# Altium PCB MB1272C_PMIC.PcbDoc (part 4 of 10)
Units mm, origin at the board's own origin, x right, y up, seen from the top; angles counter-clockwise.
Board outline 101 x 71 mm, 6 copper layers (Top Layer, Signal Layer 1, Signal Layer 2, Signal Layer 3, Signal Layer 4, Bottom Layer), stack 1.552 mm thick; 518 components, 478 nets, 2152 pads, 1871 vias.
Unrouted connection lines stored in the file: 3.
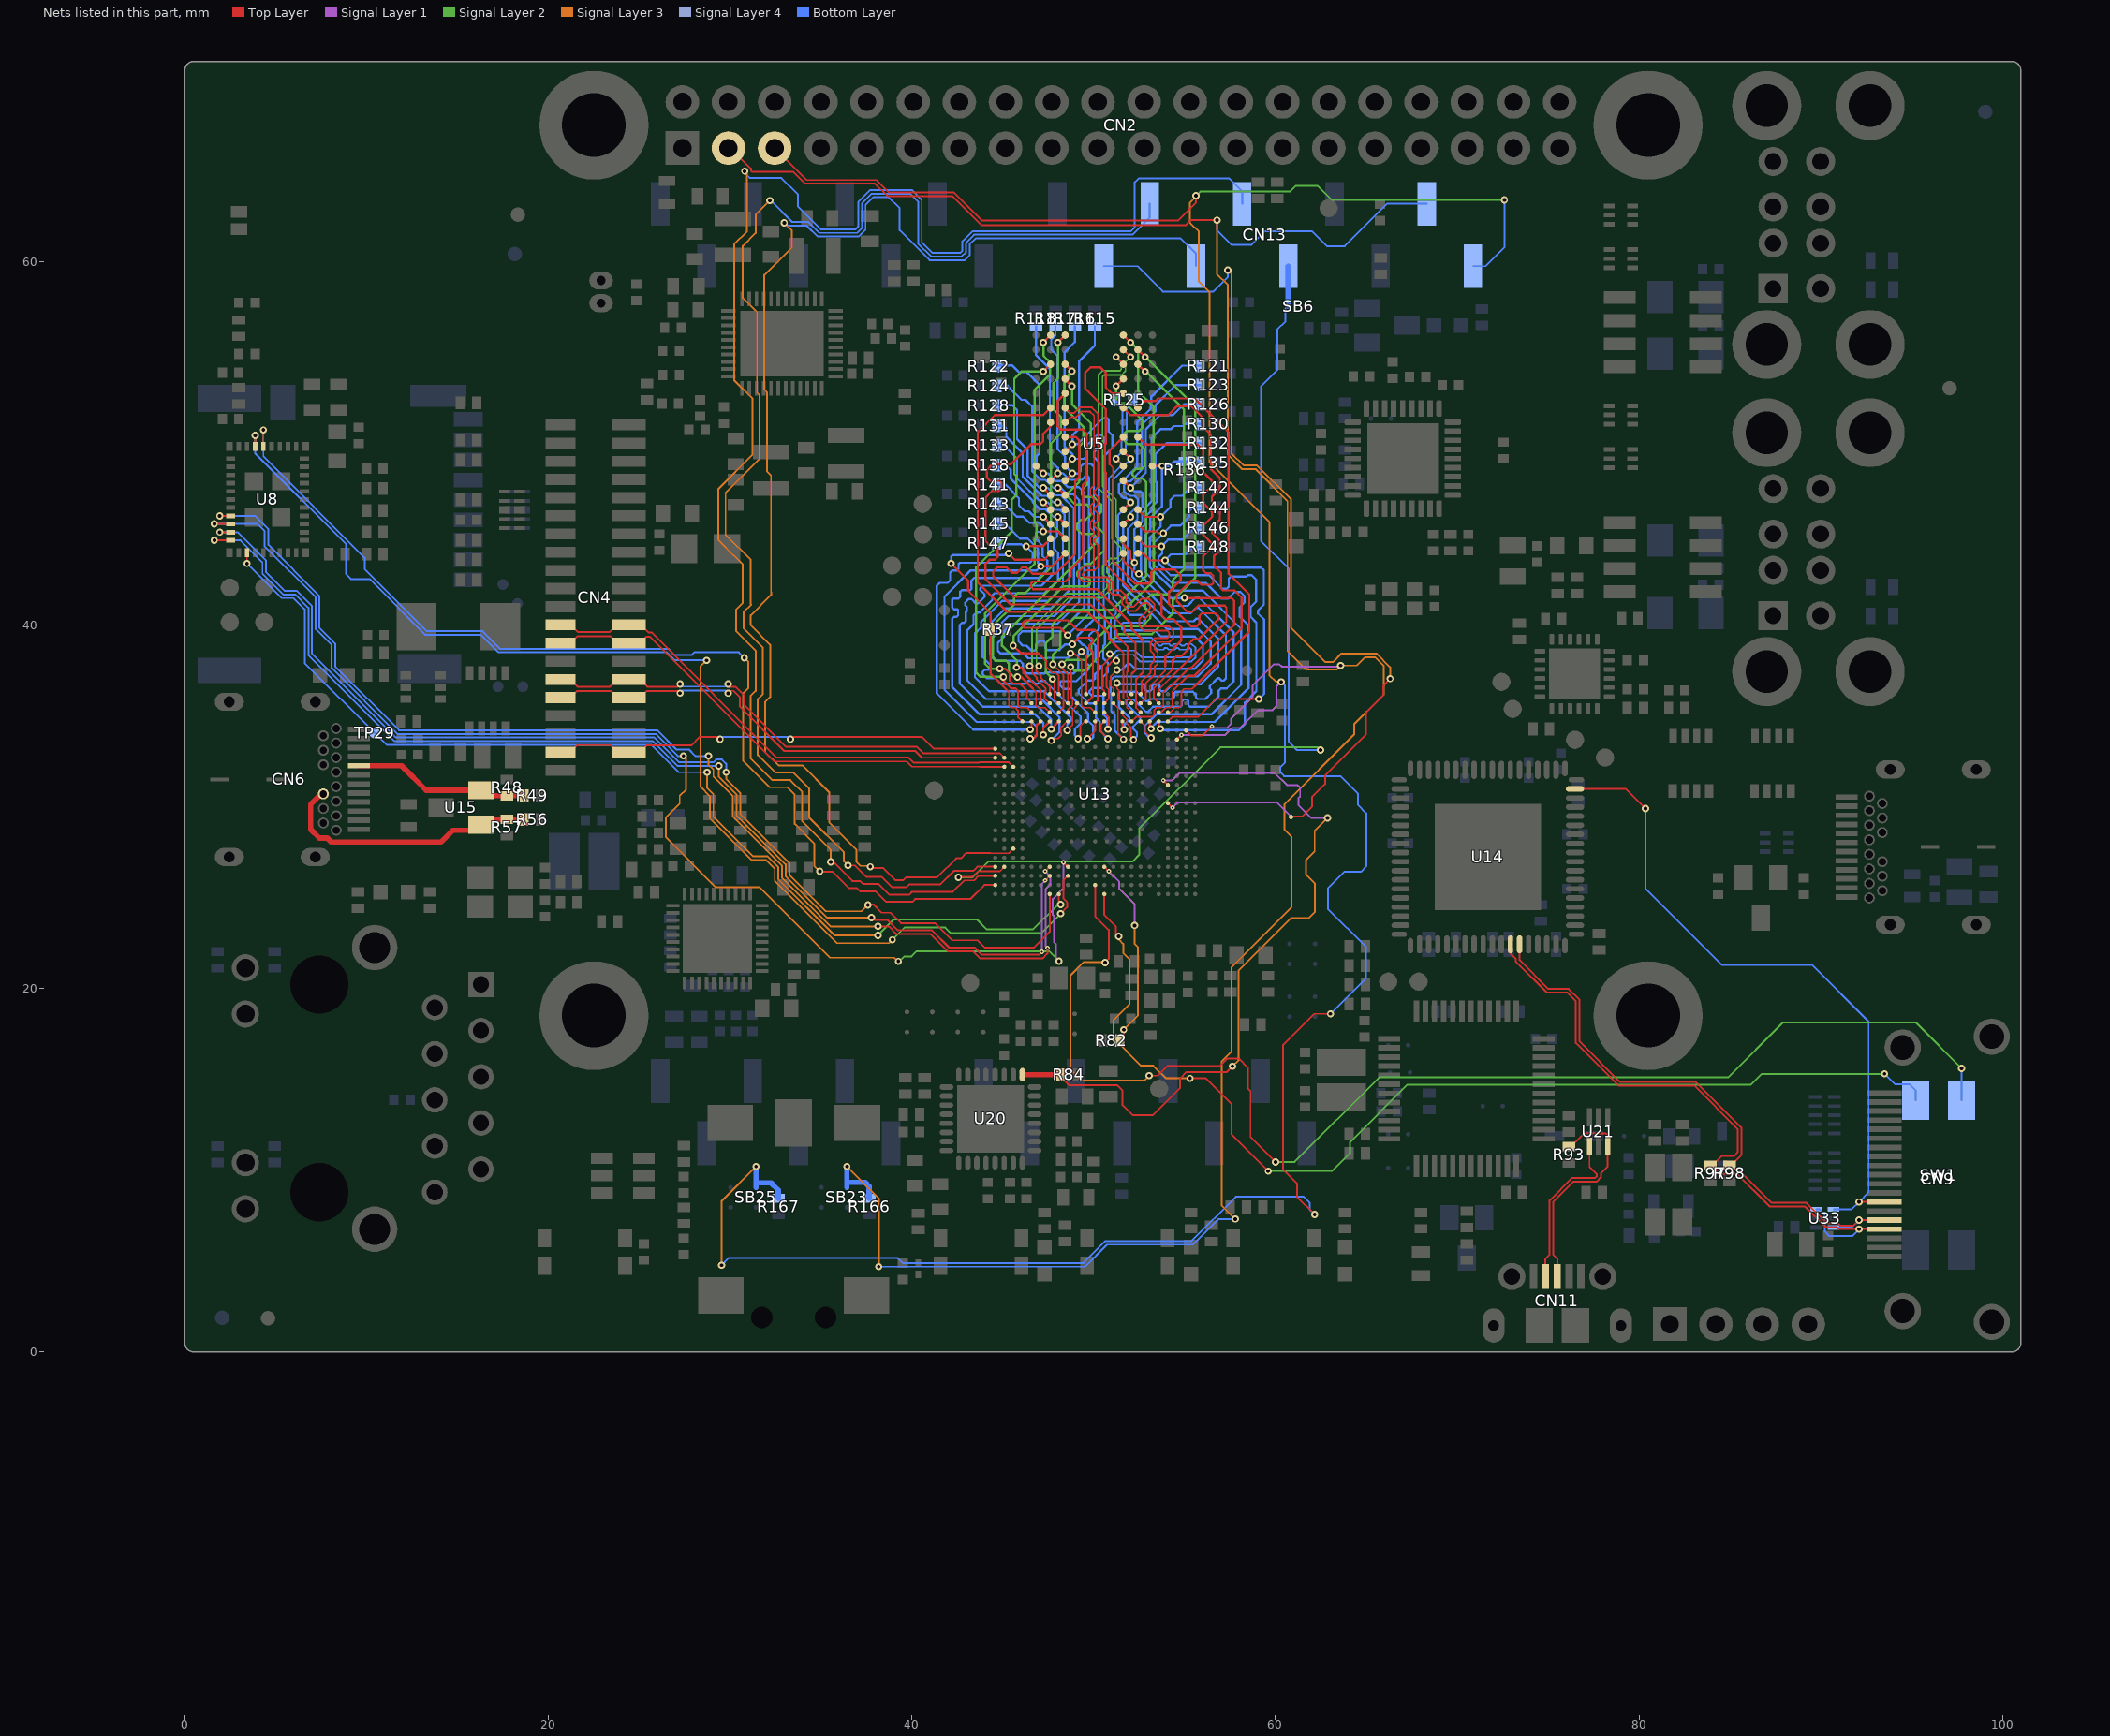
[diagram p8: the nets of this part, all layers, seen from the top]

## Via types
v1: diameter 0.4, hole 0.2, Top Layer to Bottom Layer, tented both sides, 884 vias
v2: diameter 0.25, hole 0.1, Top Layer to Signal Layer 1, tented top, 470 vias
v3: diameter 0.6, hole 0.3, Top Layer to Bottom Layer, tented both sides, 469 vias
v4: diameter 0.25, hole 0.1, Top Layer to Signal Layer 1, tented both sides, 46 vias
v5: diameter 0.25, hole 0.1, Top Layer to Bottom Layer, tented top, 2 vias

## Nets (pads, with @x,y where several pads share a name; then routed paths per layer and width w, separated by ;. In a path a pad name is that pad's centre, name@x,y a point inside that pad or via, vN(x,y) a via of type N, cw(c..) or ccw(c..) an arc to the next point about the centre after c; other vN are vias at no path point) (continued)
ARD_D9: CN13.2 U13.Y11 | length 54.7
  Top Layer w0.1: U13.Y11@54.08,30.19 v2(54.33,29.94) ; v4(60.856,29.44) 60.856,29.514 60.905,29.465 61.477,29.465 62.006,29.993 62.006,30.521 62.73,31.245 62.73,31.723 64.98,33.973 64.98,35.195 65.931,36.146 65.931,36.666 v1(66.305,37.04)
  Signal Layer 1 w0.1: v2(54.33,29.94) 54.63,30.24 60.056,30.24 v4(60.856,29.44)
  Signal Layer 3 w0.1: v1(57.38,59.515) 57.58,59.315 57.58,49.443 58.253,48.77 58.986,48.77 60.86,46.896 60.86,39.826 62.721,37.965 63.175,37.965 63.635,38.425 65.552,38.425 66.305,37.672 v1(66.305,37.04)
  Bottom Layer w0.1: CN13.2@50.544,59.735 52.409,59.735 53.805,58.34 56.58,58.34 57.38,59.14 v1(57.38,59.515)
ARD_D10: CN13.3 U13.A4 | length 79.4
  Top Layer w0.1: v1(36.48,26.765) 36.852,26.765 37.476,26.141 38.335,26.141 38.911,25.565 39.698,25.565 39.849,25.715 41.556,25.715 42.306,26.465 43.375,26.465 43.6,26.69 U13.A4@44.58,26.69
  Signal Layer 3 w0.1: v1@32.172,63.347 v1@32.175,63.35 ; v1(32.18,63.34) 31.405,62.565 31.405,61.554 30.7,60.849 30.7,57.975 31.475,57.2 31.475,52.78 31.622,52.633 31.622,49.147 29.75,47.275 29.75,44.956 31.131,43.575 31.131,41.144 31.158,41.117 30.73,40.689 30.73,39.816 31.804,38.742 31.804,36.2 31.525,35.921 31.525,32.84 32.499,31.866 33.479,31.866 34.35,30.995 34.35,29.38 36.255,27.475 36.255,26.99 v1(36.48,26.765)
  Bottom Layer w0.1: v1(32.18,63.34) 32.244,63.34 33.42,62.164 34.296,62.164 34.896,61.565 36.983,61.565 37.25,61.832 37.25,63.192 37.783,63.725 39.75,63.725 39.909,63.725 40.342,63.292 40.342,60.977 41.054,60.265 42.73,60.265 42.98,60.515 42.98,61.023 43.422,61.465 52.13,61.465 53.084,62.419 CN13.3@53.084,63.164
ARD_D11: CN13.4 U13.C6 | length 78.5
  Top Layer w0.09: 44.305,27.44 45.33,27.44 U13.C6@45.58,27.69
  Top Layer w0.1: v1(37.706,26.691) 37.706,26.614 38.429,26.614 39.077,25.965 39.533,25.965 39.683,26.115 41.391,26.115 42.439,27.163 42.698,27.163 42.975,27.44 44.305,27.44
  Signal Layer 3 w0.1: v1(32.975,62.114) 33.4,61.689 33.4,60.774 31.875,59.249 31.875,52.945 32.022,52.799 32.022,48.453 32.247,48.228 32.247,41.811 32.25,41.809 32.25,41.643 31.13,40.523 31.13,39.982 32.204,38.908 32.204,36.034 31.925,35.755 31.925,33.006 32.665,32.266 33.981,32.266 35.45,30.796 35.45,29.131 36.955,27.627 36.955,26.945 37.16,26.74 37.658,26.74 v1(37.706,26.691)
  Bottom Layer w0.1: v1(32.975,62.114) 33.031,62.114 33.181,61.964 34.214,61.964 34.813,61.365 37.066,61.365 37.45,61.749 37.45,63.109 37.866,63.525 38.719,63.525 39.325,62.919 39.325,61.711 40.971,60.065 42.905,60.065 43.18,60.34 43.18,60.94 43.505,61.265 54.78,61.265 55.624,60.421 CN13.4@55.624,59.735
ARD_D12: CN13.5 U13.A3 | length 91.5
  Top Layer w0.1: v1(35.53,26.965) 35.53,26.99 35.58,27.04 35.585,27.04 36.719,25.906 37.146,25.906 37.31,25.741 38.169,25.741 38.746,25.165 39.864,25.165 40.014,25.315 42.25,25.315 42.875,25.94 43.416,25.94 43.666,26.19 U13.A3@44.58,26.19
  Signal Layer 3 w0.1: v1(30.8,64.96) 30.925,64.835 30.925,61.639 30.225,60.939 30.225,53.464 31.222,52.467 31.222,49.356 29.35,47.484 29.35,44.674 30.199,43.825 30.202,43.825 30.7,43.327 30.7,41.224 30.33,40.854 30.33,39.651 31.404,38.576 31.404,36.366 31.125,36.086 31.125,32.674 32.334,31.466 33.314,31.466 33.95,30.829 33.95,29.214 35.53,27.635 v1(35.53,26.965)
  Bottom Layer w0.1: v1(30.8,64.96) 30.8,64.875 31.085,64.59 32.825,64.59 33.73,63.685 33.73,63.014 34.979,61.765 36.9,61.765 37.05,61.915 37.05,63.275 37.7,63.925 37.925,63.925 39.992,63.925 40.542,63.375 40.542,61.06 41.137,60.465 42.647,60.465 42.78,60.598 42.78,61.106 43.339,61.665 52.047,61.665 52.255,61.873 52.255,64.35 52.47,64.565 57.455,64.565 58.164,63.856 CN13.5@58.164,63.164
ARD_D13: CN13.6 SB6.1 U13.B4 | length 55.8
  Top Layer w0.09: 44.28,26.44 44.83,26.44 U13.B4@45.08,26.69
  Top Layer w0.1: v1(42.555,26.115) 42.555,26.14 43.333,26.14 43.633,26.44 44.28,26.44
  Signal Layer 2 w0.1: v1(42.555,26.115) 43.347,26.115 44.222,26.99 47.563,26.99 51.86,26.99 52.15,26.99 52.505,27.345 52.505,28.801 56.969,33.265 62.33,33.265 v1(62.48,33.115)
  Bottom Layer w0.1: 60.55,57.4 60.55,56.7 60.1,56.25 60.1,54.025 59.2,53.125 59.2,44.625 60.725,43.1 60.725,33.57 61.18,33.115 v1(62.48,33.115)
  Bottom Layer w0.3: CN13.6@60.704,59.735 60.704,57.546 SB6.1@60.725,57.525
ARD_D14: CN2.3 CN13.9 R166.2 SB23.1 U13.AB19 | length 150.6
  Top Layer w0.1: CN2.3@29.91,66.23 30.025,66.23 31.15,65.105 31.15,64.99 31.215,64.925 33.472,64.925 34.122,64.275 37.967,64.275 38.65,63.592 42.222,63.592 43.814,62 55.074,62 55.339,62.265 v1(56.78,62.265) ; U13.AB19@55.08,34.19 55.355,33.915 56.005,33.915 v4(56.505,34.415)
  Signal Layer 1 w0.1: v4(56.505,34.415) 56.58,34.34 57.345,34.34 57.55,34.545 57.55,34.835 58.73,36.015 58.73,36.655 59.915,37.84 60.205,37.84 60.345,37.7 63.515,37.7 v1(63.58,37.765)
  Signal Layer 3 w0.1: v1(36.425,10.2) 38.175,8.45 v1(38.175,4.69) ; v1(56.78,62.265) 56.78,59.311 57.38,58.711 57.38,49.361 58.171,48.57 58.903,48.57 60.66,46.814 60.66,38.566 61.686,37.54 63.355,37.54 v1(63.58,37.765) 64.471,37.765 64.931,38.225 65.469,38.225 65.955,37.739 65.955,36.17 65.726,35.941 65.723,35.941 64.33,34.548 64.33,33.973 60.481,30.124 60.481,28.739 60.88,28.34 60.88,24.464 57.575,21.159 57.575,16.506 57.03,15.961 57.03,8.065 v1(57.781,7.314) v1@57.666,7.314
  Bottom Layer w0.1: v1(38.175,4.69) 49.52,4.69 50.73,5.9 55.468,5.9 56.883,7.315 v1@57.78,7.315 ; v1(56.78,62.265) 56.78,61.715 57.58,60.915 58.68,60.915 59.43,61.665 62.005,61.665 62.83,60.84 63.805,60.84 66.129,63.164 CN13.9@68.324,63.164
  Bottom Layer w0.3: SB23.1@36.425,9.05 36.425,9.325 ; v1(36.425,10.2) 36.425,9.325 ; R166.2@37.65,8.45 37.65,9.1 37.425,9.325 36.425,9.325
ARD_D15: CN2.5 CN13.10 R167.2 SB25.1 U13.AA18 | length 167.7
  Top Layer w0.1: CN2.5@32.45,66.23 34.205,64.475 38.05,64.475 38.733,63.792 42.308,63.792 43.85,62.25 54.65,62.25 55.63,63.23 v1(55.63,63.615) ; U13.AA18@54.58,33.69 v2(54.83,33.94) ; v1(62.156,7.564) 61.18,8.54 61.18,9.265 60.425,10.02 60.425,16.895 62.13,18.6 v1(63.025,18.6)
  Signal Layer 1 w0.1: v2(54.83,33.94) 57.228,33.94 57.628,34.34 58.055,34.34 59.025,35.31 59.845,35.31 60.05,35.515 60.05,36.61 v1(60.305,36.865)
  Signal Layer 2 w0.1: v1(55.63,63.615) 55.857,63.842 60.792,63.842 61.1,64.15 62.325,64.15 63.1,63.375 v1(72.589,63.375)
  Signal Layer 3 w0.1: v1(29.53,4.765) 29.53,8.305 v1(31.425,10.2) ; v1(55.63,63.615) 55.68,63.615 55.28,63.215 55.28,62.139 55.78,61.639 55.78,58.896 56.38,58.296 56.38,48.946 59.66,45.666 59.66,37.235 60.03,36.865 v1(60.305,36.865)
  Bottom Layer w0.1: v1(29.53,4.765) 29.94,5.175 39.212,5.175 39.497,4.89 49.437,4.89 50.647,6.1 55.385,6.1 57.82,8.535 61.552,8.535 61.88,8.207 61.88,7.84 v1(62.156,7.564) ; v1(60.305,36.865) 60.525,36.645 60.525,32.428 60.268,32.172 60.268,31.882 60.473,31.677 63.573,31.677 64.525,30.725 64.525,30.104 64.999,29.63 64.999,26.721 64.693,26.415 63.785,26.415 62.88,25.51 62.88,24.382 64.98,22.282 64.98,20.555 v1(63.025,18.6) ; CN13.10@70.864,59.736 71.551,59.736 72.589,60.774 v1(72.589,63.375)
  Bottom Layer w0.3: SB25.1@31.425,9.05 31.425,9.3 ; v1(31.425,10.2) 31.425,9.3 ; R167.2@32.65,8.45 32.65,8.9 32.25,9.3 31.425,9.3
AUDIO_RST: R84.2 U13.Y13 U20.25 | length 42.5
  Top Layer w0.1: R84.2@48.175,15.25 48.175,15.145 48.655,14.665 51.3,14.665 51.59,14.375 51.59,13.575 52.135,13.03 53.255,13.03 54.75,14.525 54.75,15.05 55.1,15.4 55.445,15.4 55.452,15.393 57.309,15.393 v1(57.631,15.715) ; v2(53.83,31.44) U13.Y13@54.08,31.19
  Top Layer w0.3: U20.25@46.075,15.25 R84.2@48.175,15.25
  Signal Layer 1 w0.1: v2(53.83,31.44) 54.305,31.44 54.705,31.84 59.972,31.84 60.622,31.19 61.205,31.19 61.355,31.04 61.355,30.564 61.256,30.465 61.256,30.076 61.95,29.382 v1(62.865,29.382)
  Signal Layer 3 w0.1: v1(57.631,15.715) 57.975,16.059 57.975,20.993 60.847,23.865 61.825,23.865 62.175,24.215 62.175,25.75 61.68,26.245 61.68,27.068 62.155,27.543 62.155,28.672 v1(62.865,29.382)
BOOT0: SW1.1 U13.N1 | length 60.5
  Top Layer w0.1: U13.N1@50.58,25.19 50.58,24.034 51.23,23.384 51.23,23.015 v1(51.38,22.865) ; v1(55.3,15.05) 56.175,15.05 57.575,13.65 57.575,11.97 v1(59.6,9.945)
  Signal Layer 2 w0.1: v1(59.6,9.945) 63.095,9.945 64.1,10.95 64.1,11.55 67.25,14.7 86.15,14.7 86.75,15.3 v1(93.5,15.3)
  Signal Layer 3 w0.1: v1(51.38,22.865) 51.38,22.694 51.625,22.449 51.625,21.95 51.975,21.6 51.975,19.15 51.1,18.275 51.1,17.25 52.6,15.75 53.278,15.75 53.978,15.05 v1(55.3,15.05)
  Bottom Layer w0.1: v1(93.5,15.3) 94.075,14.725 94.875,14.725 95.205,14.395 SW1.1@95.205,13.85
BOOT1: R82.2 U13.N4 | length 10.7
  Top Layer w0.1: U13.N4@50.58,26.69 v2(50.83,26.44) ; R82.2@51.425,17.125 51.65,17.35 v1(51.65,17.725)
  Signal Layer 1 w0.1: v2(50.83,26.44) 51.405,25.865 51.405,25.487 52.255,24.636 v1(52.255,23.465)
  Signal Layer 3 w0.1: v1(51.65,17.725) 52.425,18.5 52.425,22.275 52.255,22.445 v1(52.255,23.465)
BOOT2: SW1.2 U13.M2 | length 72.3
  Top Layer w0.1: U13.M2@50.08,25.69 50.08,23.968 50.83,23.218 50.83,21.63 v1(50.625,21.425) ; v1(53.05,15.2) 53.525,15.2 54.05,15.725 56.926,15.725 57.331,16.129 57.996,16.129 58.475,15.65 58.475,14.495 58.625,14.345 58.625,11.825 v1(60,10.45)
  Signal Layer 2 w0.1: v1(60,10.45) 61.05,10.45 65.7,15.1 84.9,15.1 87.925,18.125 95.215,18.125 v1(97.745,15.595)
  Signal Layer 3 w0.1: v1(50.625,21.425) 50.625,21.45 49.45,21.45 48.725,20.725 48.725,15.525 49.325,14.925 52.775,14.925 v1(53.05,15.2)
  Bottom Layer w0.1: SW1.2@97.745,13.85 v1(97.745,15.595)
BT_DEV_WAKE: U8.39 U13.J3 | length 67
  Top Layer w0.09: 48.53,24.715 48.53,24.753 48.33,24.953 48.33,25.94 U13.J3@48.58,26.19
  Top Layer w0.1: U8.39@3.875,49.825 v1(3.875,50.425) ; v1(48.18,24.115) 48.53,24.465 48.53,24.715
  Signal Layer 2 w0.1: v1(38.925,22.675) 39.6,23.35 41.84,23.35 42.15,23.04 47.105,23.04 v1(48.18,24.115)
  Signal Layer 3 w0.1: v1(28.7,38.05) 28.38,37.73 28.38,31.09 28.88,30.59 28.88,29.356 31.161,27.075 31.953,27.075 32.455,26.573 32.455,25.917 35.882,22.49 38.74,22.49 v1(38.925,22.675)
  Bottom Layer w0.1: v1(3.875,50.425) 3.875,49.44 8.875,44.44 8.875,42.789 9.139,42.525 10.167,42.525 13.242,39.45 16.3,39.45 17.26,38.49 26.519,38.49 26.959,38.05 v1(28.7,38.05)
BT_HOST_WAKE: U8.38 U13.A2 | length 58.9
  Top Layer w0.1: U8.38@4.325,49.825 v1(4.325,50.726) ; v1(34.93,26.44) 34.955,26.415 35.644,26.415 36.554,25.506 36.98,25.506 37.144,25.341 38.004,25.341 38.58,24.765 40.03,24.765 40.18,24.915 43.208,24.915 43.983,25.69 U13.A2@44.58,25.69
  Signal Layer 3 w0.1: v1(30.78,38.19) 31.004,37.966 31.004,36.531 30.725,36.252 30.725,32.509 32.168,31.066 33.148,31.066 33.55,30.664 33.55,29.049 34.63,27.969 34.63,26.74 v1(34.93,26.44)
  Bottom Layer w0.1: v1(4.325,50.726) 4.325,49.272 9.901,43.697 9.901,43.074 13.325,39.65 16.383,39.65 17.343,38.69 26.601,38.69 26.951,38.34 27.882,38.34 28.032,38.49 30.48,38.49 v1(30.78,38.19)
BT_PCM_CLK: U8.11 U13.G3 | length 63.7
  Top Layer w0.1: v1(1.624,44.65) U8.11@2.525,44.65 ; v1(37.78,23.89) v1@37.78,23.94 ; v1@37.78,23.94 37.955,23.765 38.661,23.765 39.237,23.19 41.104,23.19 42.049,22.245 43.442,22.245 43.837,21.85 46.99,21.85 v4(47.15,22.01) ; v2(47.33,25.94) U13.G3@47.58,26.19
  Signal Layer 1 w0.1: v4(47.15,22.01) 47.15,25.76 v2(47.33,25.94)
  Signal Layer 3 w0.1: v1(29.38,32.24) 29.38,31.639 30.35,30.669 30.35,29.526 33.055,26.821 33.055,26.165 35.33,23.89 v1(37.78,23.89)
  Bottom Layer w0.1: v1(1.624,44.65) 3.067,44.65 4.275,43.442 4.275,42.806 5.406,41.675 6.069,41.675 6.8,40.944 6.8,38.336 11.536,33.6 25.745,33.6 27.105,32.24 28.805,32.24 v1(29.38,32.24)
BT_PCM_SDI: U8.10 U13.G1 | length 62
  Top Layer w0.1: v1(1.925,45.1) U8.10@2.525,45.1 ; v1(37.58,24.59) 37.605,24.615 37.882,24.615 38.332,24.165 38.827,24.165 39.402,23.59 41.269,23.59 42.214,22.645 43.608,22.645 44.003,22.25 46.713,22.25 47.58,23.117 U13.G1@47.58,25.19
  Signal Layer 3 w0.1: v1(29.78,31.89) 29.78,31.522 30.55,30.752 30.55,29.609 33.255,26.904 33.255,26.248 35.263,24.24 37.225,24.24 37.575,24.59 v1(37.58,24.59)
  Bottom Layer w0.1: v1(1.925,45.1) 2.9,45.1 4.475,43.525 4.475,42.889 5.489,41.875 6.152,41.875 7,41.027 7,38.419 11.619,33.8 25.828,33.8 27.188,32.44 29.08,32.44 29.23,32.59 29.555,32.59 29.78,32.365 v1(29.78,31.89)
BT_PCM_SDO: U8.9 U13.J4 | length 70.5
  Top Layer w0.1: v1(1.624,45.55) U8.9@2.525,45.55 ; v2(48.33,26.94) U13.J4@48.58,26.69
  Signal Layer 1 w0.1: v1(48.09,21.5) 47.92,21.67 47.92,21.867 47.925,21.872 47.925,22.427 47.816,22.536 47.816,23.984 47.75,24.05 47.75,24.92 48.33,25.5 v2(48.33,26.94)
  Signal Layer 2 w0.1: v1(39.255,21.49) 39.255,21.44 39.579,21.765 39.98,21.765 40.255,22.04 47.55,22.04 v1(48.09,21.5)
  Signal Layer 3 w0.1: v1(27.429,32.79) 27.58,32.64 27.58,30.949 27.225,30.594 27.225,30.16 26.475,29.41 26.475,28.311 29.221,25.565 31.624,25.565 35.499,21.69 39.03,21.69 39.23,21.49 v1(39.255,21.49)
  Signal Layer 4 w0.1: v1(27.429,32.79) v1@27.48,32.74
  Bottom Layer w0.1: v1(1.624,45.55) 4.017,45.55 4.4,45.167 4.4,44.317 7.2,41.517 7.2,39.761 8.075,38.886 8.075,38.513 ; 8.074,38.512 8.074,37.628 11.702,34 25.911,34 27.12,32.79 v1(27.429,32.79)
BT_PCM_WS: U8.8 U13.G4 | length 65.3
  Top Layer w0.1: v1(1.925,46) U8.8@2.525,46 ; v1(38.13,23.415) 38.729,23.414 39.154,22.99 41.021,22.99 41.966,22.045 43.359,22.045 43.754,21.65 47.179,21.65 47.45,21.921 v4(47.45,22.23) ; v2(47.33,26.44) U13.G4@47.58,26.69
  Signal Layer 1 w0.1: v2(47.33,26.44) 47.605,26.165 47.605,25.715 47.35,25.46 47.35,22.33 v4(47.45,22.23)
  Signal Layer 3 w0.1: v1(28.805,32.79) 28.805,32.315 29.08,32.04 29.08,31.656 30.15,30.586 30.15,29.444 32.855,26.739 32.855,26.082 35.522,23.415 v1(38.13,23.415)
  Bottom Layer w0.1: v1(1.925,46) 3.85,46 4.6,45.25 4.6,44.4 7.4,41.6 7.4,39.844 8.275,38.969 8.275,37.886 8.274,37.711 11.785,34.2 25.994,34.2 27.053,33.14 27.73,33.14 28.08,32.79 v1(28.805,32.79)
BT_REG_ON: TP29.1 U8.14 U13.H1 | length 59.1
  Top Layer w0.1: v1(3.425,43.375) U8.14@3.425,43.975 ; U13.H1@48.08,25.19 48.08,24.64 48.105,24.615 v1(48.18,24.615)
  Signal Layer 2 w0.1: v1(38.13,22.915) 39.005,23.79 43.58,23.79 44.13,23.24 44.81,23.24 46.655,23.24 48.105,24.69 v1(48.18,24.615)
  Signal Layer 3 w0.1: v1(28.73,31.89) 28.73,31.04 29.08,30.69 29.08,29.439 31.244,27.275 32.036,27.275 32.655,26.656 32.655,25.999 35.74,22.915 v1(38.13,22.915)
  Bottom Layer w0.1: v1(3.425,43.375) 3.425,43.373 5.323,41.475 5.986,41.475 6.6,40.861 6.6,37.9 TP29.1@10.45,34.05 11.1,33.4 25.662,33.4 27.172,31.89 v1(28.73,31.89)
CC1: CN6.A5 R48.2 R49.1 U15.2 | length 9.8
  Top Layer w0.3: CN6.A5@9.58,32.25 11.925,32.25 13.275,30.9 U15.2@16.3,30.9 16.6,30.6 R48.2@17.725,30.6 R49.1@18.65,30.6
CC2: CN6.B5 R56.1 R57.2 U15.1 | length 14.8
  Top Layer w0.3: CN6.B5@7.62,30.7 7.501,30.7 6.925,30.124 6.925,28.75 7.4,28.275 7.5,28.275 7.505,28.28 7.83,28.28 8.061,28.05 14.1,28.05 14.75,28.7 16,28.7 U15.1@16.3,29 16.6,29.3 R57.2@17.725,29.3 R56.1@18.65,29.3
CEC_A: CN9.13 U14.71 U33.1 | length 37.1
  Top Layer w0.1: U14.71@76.475,30.975 79.275,30.975 v1(80.35,29.9) ; v1(92.1,8.25) CN9.13@93.5,8.25
  Bottom Layer w0.1: v1(80.35,29.9) 80.35,25.5 84.55,21.3 89.5,21.3 92.625,18.175 92.625,8.775 v1(92.1,8.25) 91.7,7.85 U33.1@90.7,7.85
CON_USB_STLK_N: CN11.2 U21.1 | length 9.2
  Top Layer w0.1: CN11.2@74.85,4.15 74.85,5.125 75.075,5.35 75.075,8.325 76.325,9.575 77.575,9.575 77.675,9.675 77.675,9.775 77.275,10.175 U21.1@77.275,11.295
CON_USB_STLK_P: CN11.3 R93.1 U21.3 | length 12.3
  Top Layer w0.1: CN11.3@75.5,4.15 75.5,5.125 75.275,5.35 75.275,8.242 76.408,9.375 77.675,9.375 77.9,9.6 77.9,9.825 78.275,10.2 U21.3@78.275,11.295 78.275,11.925 78.175,12.025 77,12.025 76.275,11.3 R93.1@76.15,11.3
DDR_A0: R131.1 U5.N3 U13.L20 | length 29.5
  Top Layer w0.09: v1(48.03,46.74) U5.N3@48.43,46.34 ; v1(49.14,33.74) 49.26,33.86 49.26,34.43 49.52,34.69 U13.L20@49.58,34.69
  Bottom Layer w0.12: R131.1@44.68,50.96 45.03,50.96 45.19,50.8 45.19,50.34 46.09,49.44 46.09,48.16 47.15,47.1 47.42,47.1 47.78,46.74 v1(48.03,46.74) 48.121,46.74 48.64,46.221 48.64,41.895 47.645,40.9 45.132,40.9 44.23,39.998 44.23,39.698 43.89,39.358 43.89,38.226 44.323,37.793 44.323,37.647 44.206,37.53 44.01,37.53 43.89,37.41 43.89,37.292 44.106,37.076 44.563,37.076 44.879,36.76 46.24,36.76 46.39,36.91 46.635,36.91 46.785,36.76 46.92,36.76 47.07,36.91 47.319,36.91 49.27,34.959 49.27,34.58 48.96,34.27 48.96,33.92 v1(49.14,33.74)
DDR_A1: R123.1 U5.P7 U13.P22 | length 34
  Top Layer w0.09: U13.P22@51.08,35.69 51.335,35.435 ; 51.33,34.005 51.33,35.435 ; 51.335,34.005 v1(51.64,33.7)
  Top Layer w0.12: U5.P7@51.63,45.54 v1(52.03,45.94)
  Bottom Layer w0.12: v1(51.64,33.7) 51.17,34.17 51.17,35.032 50.96,35.242 50.96,36.26 50.92,36.3 50.92,36.949 51.131,37.16 55.719,37.16 56.43,37.871 56.43,39.079 55.729,39.78 54.01,39.78 51.61,42.18 51.61,45.52 v1(52.03,45.94) 52.03,46.162 52.447,46.579 52.447,46.903 52.25,47.1 51.981,47.1 51.861,47.22 51.81,47.22 51.665,47.365 51.665,47.684 51.881,47.9 52.01,47.9 52.65,48.54 52.65,51 53.39,51.74 53.39,52.079 54.501,53.19 R123.1@55.86,53.19
DDR_A2: R138.1 U5.P3 U13.J20 | length 27.4
  Top Layer w0.09: v1@47.76,33.74 48.04,33.74 48.22,33.92 48.22,34.032 48.195,34.057 48.195,34.343 48.542,34.69 U13.J20@48.58,34.69
  Top Layer w0.12: v1(47.66,33.64) v1@47.76,33.74 ; v1(48.03,45.94) U5.P3@48.43,45.54
  Bottom Layer w0.12: R138.1@44.68,48.79 45.17,48.79 45.43,48.53 45.43,48.049 46.64,46.839 46.64,46.76 47.04,46.36 47.36,46.36 47.78,45.94 v1(48.03,45.94) ; v1(47.66,33.64) 48.12,34.1 48.12,34.921 47.121,35.92 44.074,35.92 43.05,36.944 43.05,39.706 43.39,40.046 43.39,40.522 43.548,40.68 43.72,40.68 43.722,40.678 44.42,41.376 44.42,41.62 44.54,41.74 47.297,41.74 48.037,42.48 48.037,43.973 47.79,44.22 47.79,44.66 47.987,44.857 v1@47.987,45.92
DDR_A3: R133.1 U5.N2 U13.K22 | length 27.8
  Top Layer w0.09: v1(48.54,34.2) 48.825,34.485 ; 48.83,34.485 48.83,35.3 49.08,35.575 U13.K22@49.08,35.69 U13.K22@49.08,35.58
  Top Layer w0.12: v1(47.23,46.74) U5.N2@47.63,46.34
  Bottom Layer w0.12: R133.1@44.68,49.88 45.05,49.88 45.77,49.16 45.77,48.07 47.1,46.74 v1(47.23,46.74) 47.469,46.74 47.879,46.33 48.149,46.33 48.39,46.089 48.39,45.791 48.307,45.708 48.307,42.156 47.471,41.32 44.958,41.32 43.81,40.172 43.81,39.872 43.47,39.532 43.47,37.118 44.248,36.34 47.295,36.34 48.75,34.885 48.75,34.73 48.54,34.52 v1(48.54,34.2)
DDR_A4: R144.1 U5.P8 U13.V20 | length 24.5
  Top Layer w0.12: U5.P8@52.43,45.54 52.83,45.14 53.45,45.14 53.55,45.04 v1(53.83,45.04) ; U13.V20@53.08,34.69 53.08,34.37 v1(53.16,34.29)
  Bottom Layer w0.12: v1(53.16,34.29) 53.16,34.334 53.486,34.66 56.654,34.66 58.53,36.536 58.53,39.949 58.03,40.449 58.03,40.968 58.291,41.229 58.291,41.589 58.075,41.805 57.745,41.805 57.38,41.44 57.039,41.44 56.166,42.313 54.3,42.313 53.32,43.292 53.32,44.51 53.85,45.04 v1(53.83,45.04) 54.25,45.46 54.76,45.46 55.25,45.95 55.25,46.24 55.45,46.44 R144.1@55.86,46.44
DDR_A5: R141.1 U5.P2 U13.H20 | length 25.6
  Top Layer w0.12: v1(47.23,45.94) U5.P2@47.63,45.54 ; v1(47.66,34.26) 48.08,34.68 U13.H20@48.08,34.69
  Bottom Layer w0.12: R141.1@44.68,47.71 45.17,47.71 45.555,47.325 45.555,47.295 45.89,46.96 45.89,46.57 46.205,46.255 46.425,46.255 46.74,45.94 v1(47.23,45.94) 47.612,45.558 47.612,44.942 47.487,44.817 47.487,44.11 47.767,43.829 47.767,42.804 47.123,42.16 43.91,42.16 43.77,42.02 43.77,41.91 44,41.68 44,41.55 43.63,41.18 43.52,41.18 43.27,41.43 43.138,41.43 42.94,41.232 42.94,41.07 43.032,40.978 43.032,40.758 42.97,40.696 42.97,40.22 42.86,40.11 42.75,40.11 42.63,39.99 42.63,36.77 43.9,35.5 46.947,35.5 47.66,34.787 v1(47.66,34.26) v1@47.67,34.25
DDR_A6: R146.1 U5.R8 U13.W20 | length 25.3
  Top Layer w0.12: U5.R8@52.38,44.727 U5.R8@52.38,44.74 ; U5.R8@52.43,44.74 52.85,44.32 v1(53.73,44.32) ; v1@53.58,34.37 U13.W20@53.58,34.69
  Bottom Layer w0.12: v1@53.66,34.24 53.69,34.21 57.99,34.21 58.314,34.534 58.314,35.726 58.95,36.362 58.95,40.123 58.62,40.453 58.62,40.964 58.935,41.279 58.935,42.485 58.687,42.733 58.47,42.733 58.402,42.665 57.545,42.665 57.43,42.55 57.43,42.1 57.32,41.99 57.083,41.99 56.34,42.733 54.219,42.733 53.56,43.392 53.56,43.734 53.766,43.94 v1@53.766,44.315 ; v1(53.73,44.32) 54.095,44.685 54.88,44.685 55.545,45.35 R146.1@55.86,45.35
  other v1: 53.66,34.29